# Altium PCB CalibradorDePlacas.PcbDoc
Units mil, origin at the board's own origin, x right, y up, seen from the top; angles counter-clockwise.
Board outline 2000 x 6000 mil, 2 copper layers (Top Layer, Bottom Layer); 127 components, 105 nets, 420 pads, 167 vias.
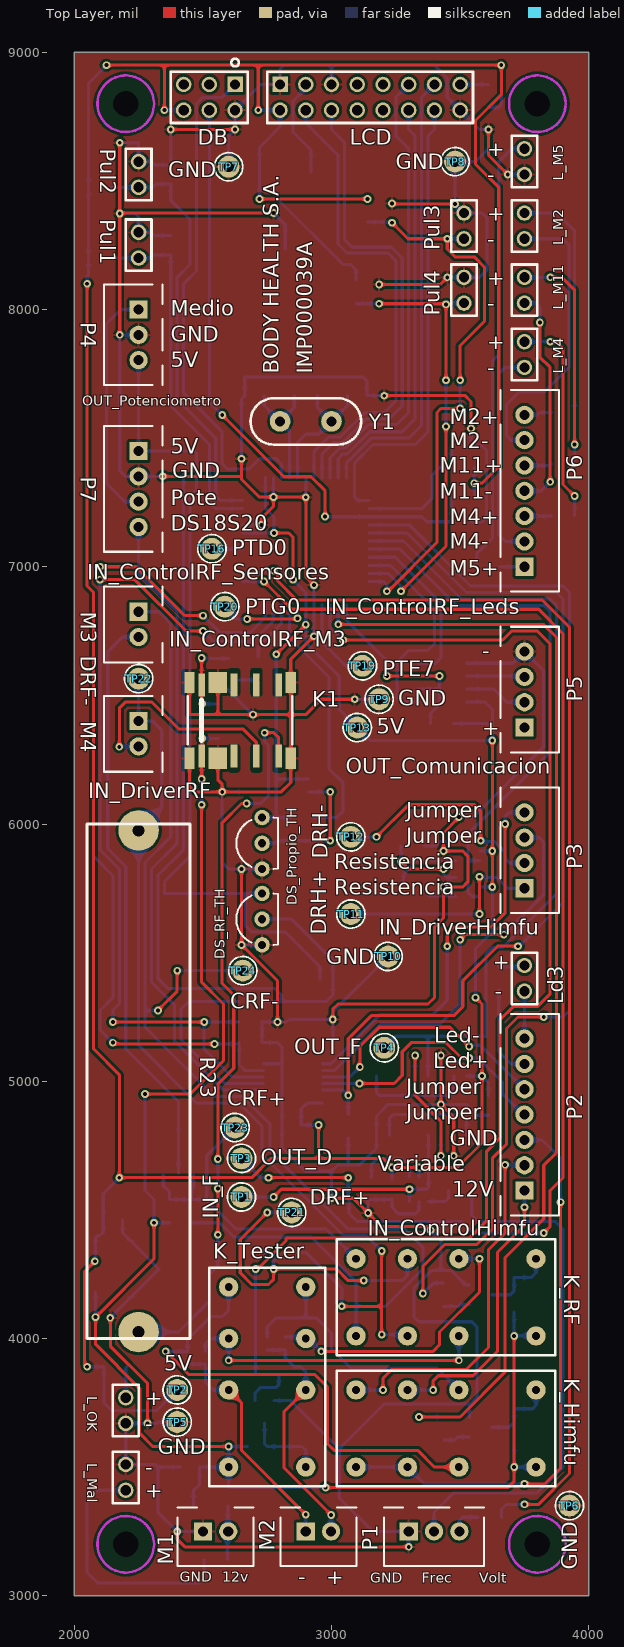
[diagram p0: Top Layer view]
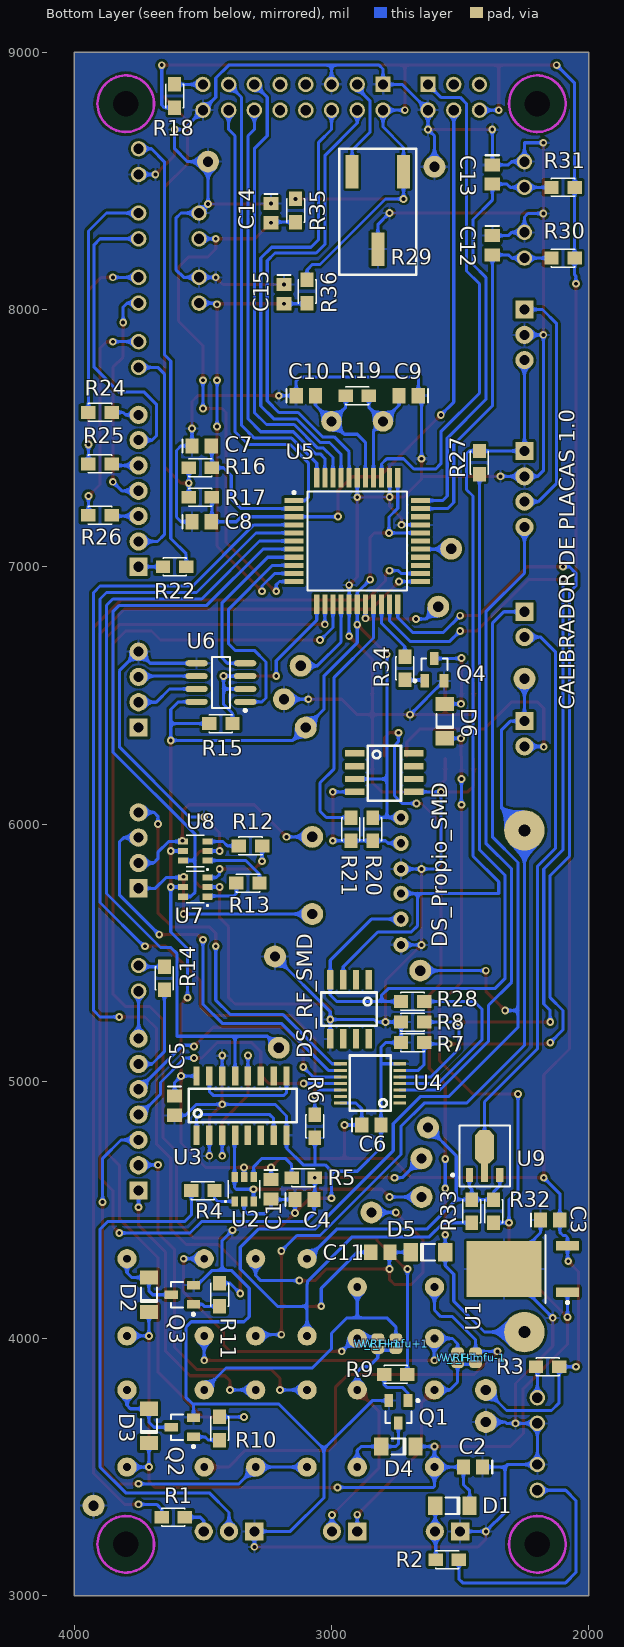
[diagram p1: Bottom Layer view, seen from below]

## Layer stack, top to bottom
Top Solder: solder mask 0.4, Solder Resist, Dk 3.5
Top Layer: signal copper 1.4
Dielectric 1: dielectric 12.6, FR-4, Dk 4.8
Bottom Layer: signal copper 1.4
Bottom Solder: solder mask 0.4, Solder Resist, Dk 3.5

## Board outline
2000,3000 4000,3000 4000,9000 2000,9000

## Design rules (kind name [scope] priority, off if disabled: settings)
Clearance [All] p1: gap=10 ignorepadtopadclearanceinfootprint=FALSE except(0: Arc-Hole Track-Hole SMDPad-Hole THPad-Hole Via-Hole Fill-Hole Poly-Hole Region-Hole Text-Hole)
ComponentClearance [All] p1: gap=10 collisioncheckmode=3 verticalgap=10 showdistances=TRUE
PolygonConnect [All] p1: connectstyle=Relief reliefconductorwidth=10 reliefentries=4 polygonreliefangle="90 Angle" airgapwidth=10
RoomDefinition SeccionRF [InComponentClass('SeccionRF')] p1: confinementstyle=ConfineIn formatcopy=TRUE lockcomponents=FALSE outline 0,0 2000,0 2000,1000 0,1000
RoomDefinition SeccionMicrocontrolador [InComponentClass('SeccionMicrocontrolador')] p2: confinementstyle=ConfineIn formatcopy=TRUE lockcomponents=FALSE outline 0,0 2000,0 2000,1000 0,1000
RoomDefinition SeccionHimfu [InComponentClass('SeccionHimfu')] p3 off: confinementstyle=ConfineIn formatcopy=TRUE lockcomponents=FALSE outline 0,0 2000,0 2000,1000 0,1000
RoomDefinition CalibradorDePlacas [InComponentClass('CalibradorDePlacas')] p4 off: confinementstyle=ConfineIn formatcopy=TRUE lockcomponents=FALSE outline 0,0 2000,0 2000,1000 0,1000
RoutingVias [All] p1: holewidth=15 width=30 viastyle="Through Hole" minholewidth=15 minwidth=30 maxholewidth=15 maxwidth=30
SolderMaskExpansion [All] p1: expansion=4
Width [All] p1: maxlimit=12 minlimit=12 preferedwidth=12
29 further rules are at their usual default settings.

## Classes and differential pairs
component class CalibradorDePlacas: C1 C2 C3 C4 C5 C6 D1 D2 D3 D4 K_Himfu K_RF K_Tester L_Mal L_OK M1 M2 P1 Q1 Q2 Q3 R1 R2 R3 R4 R5 R6 R7 R8 R9 R10 R11 TP1 TP2 TP3 TP4 TP5 TP6 TP7 TP8 TP9 TP10 U1 U2 U3 U4 W_Himfu+1 W_Himfu-1 W_RF+1 W_RF-1
component class SeccionHimfu: Ld3 P2 P3 R12 R13 R14 TP11 TP12 U7 U8
component class SeccionMicrocontrolador: C7 C8 C9 C10 C12 C13 C14 C15 DB DS_Propio_SMD DS_Propio_TH LCD P5 Pul1 Pul2 Pul3 Pul4 R15 R16 R17 R18 R19 R20 R21 R29 R30 R31 R35 R36 TP13 TP16 TP19 TP20 U5 U6 Y1
component class SeccionRF: C11 D5 D6 DS_RF_SMD DS_RF_TH K1 L_M2 L_M4 L_M5 L_M11 M3 M4 P4 P6 P7 Q4 R22 R23 R24 R25 R26 R27 R28 R32 R33 R34 TP21 TP22 TP23 TP24 U9

## Components (designator, comment, footprint, x,y, rotation, side; value= is the part's Value field where it differs from the comment)
C1 "100nF" C_0805 3235,4580 r270 bottom
C2 "100nF" C_0805 2450,3500 r0 bottom
C3 "100nF" C_0805 2150,4460 r180 bottom
C4 "100nF" C_0805 3105,4540 r180 bottom
C5 "100nF" C_0805 3610,4905 r270 bottom
C6 "100nF" C_0805 2845,4830 r180 bottom
C7 "10nF" C_0805 3505,7470 r180 bottom
C8 "100nF" C_0805 3505,7175 r180 bottom
C9 "22pF" C_0805 2700,7665 r0 bottom
C10 "22pF" C_0805 3100,7665 r180 bottom
C11 "100pF" C_0805 2810,4335 r180 bottom
C12 "100nF" C_0805 2375,8250 r270 bottom
C13 "100nF" C_0805 2375,8525 r270 bottom
C14 "100nF" C_0805 3235,8375 r270 bottom
C15 "100nF" C_0805 3185,8060 r270 bottom
D1 "FDLL4148" SOD-80/MLL34 2530,3350 r180 bottom
D2 "FDLL4148" SOD-80/MLL34 3710,4170 r270 bottom
D3 "FDLL4148" SOD-80/MLL34 3710,3660 r270 bottom
D4 "FDLL4148" SOD-80/MLL34 2740,3580 r180 bottom
D5 "FDLL4148" SOD-80/MLL34 2625,4335 r0 bottom
D6 "FDLL4148" SOD-80/MLL34 2560,6400 r270 bottom
DB "DBM" DBM 2625,8875 r90 top
DS_Propio_SMD "DS18S20-SMD-Soldado" SOIC8 2860,6305 r180 bottom
DS_Propio_TH "DS18S20-TH-Soldado" TO92 2730,5925 r90 top
DS_RF_SMD "DS18S20-SMD-Soldado" SOIC8 2825,5345 r270 bottom
DS_RF_TH "DS18S20-TH-Soldado" TO92 2730,5630 r90 top
K1 "Relay-DPDT-Omrom RF" "Relay RF omron" 2495,6265 r0 top
K_Himfu "Relay-DPDT-Omrom General" RELAY_DPDT 3795,3800 r180 top
K_RF "Relay-DPDT-Omrom General" RELAY_DPDT 3795,4310 r180 top
K_Tester "Relay-DPDT-Omrom General" RELAY_DPDT 2900,3500 r90 top
L_M2 "PinesParaLed" JUMPER-SIMPLE 3750,8375 r270 top
L_M4 "PinesParaLed" JUMPER-SIMPLE 3750,7875 r270 top
L_M5 "PinesParaLed" JUMPER-SIMPLE 3750,8625 r270 top
L_M11 "PinesParaLed" JUMPER-SIMPLE 3750,8125 r270 top
L_Mal "PinesParaLed" JUMPER-SIMPLE 2200,3510 r270 top
L_OK "PinesParaLed" JUMPER-SIMPLE 2200,3770 r270 top
LCD "LCD_Pines" LCD_PINES 2800,8875 r180 top
Ld3 "PinesParaLed" JUMPER-SIMPLE 3750,5450 r270 top
M1 "IN_Alimentacion" B2B-XH-A_3D 2500,3250 r0 top
M2 "OUT_PuntasDelTester" B2B-XH-A_3D 2900,3250 r0 top
M3 "IN_ControlRF_M3" B2B-XH-A_3D 2250,6825 r270 top
M4 "IN_DriverRF" B2B-XH-A_3D 2250,6400 r270 top
P1 "IN_Puntas" B3B-XH-A_3D 3300,3250 r0 top
P2 "IN_ControlHimfu" B7B-XH-A_3D 3750,4575 r90 top
P3 "IN_DriverHimfu" B4B-XH-A_3D 3750,5750 r90 top
P4 "OUT_Potenciometro" B3B-XH-A_3D 2250,8000 r270 top
P5 "OUT_Comunicacion" B4B-XH-A_3D 3750,6375 r90 top
P6 "IN_ControlRF_Leds" B7B-XH-A_3D 3750,7000 r90 top
P7 "IN_ControlRF_Sensores" B4B-XH-A_3D 2250,7450 r270 top
Pul1 "PinesParaPulsador" JUMPER-SIMPLE 2250,8300 r270 top
Pul2 "PinesParaPulsador" JUMPER-SIMPLE 2250,8575 r270 top
Pul3 "PinesParaPulsador" Jumper-Simple 3515,8375 r270 top
Pul4 "PinesParaPulsador" Jumper-Simple 3515,8125 r270 top
Q1 "BC817-40LT" SOT23 2740,3715 r0 bottom
Q2 "BC817-40LT" SOT23 3580,3655 r90 bottom
Q3 "BC817-40LT" SOT23 3580,4170 r90 bottom
Q4 "BC817-40LT" SOT23 2600,6600 r180 bottom
R1 "1K" R_0805 3615,3305 r180 bottom
R2 "1K" R_0805 2550,3140 r180 bottom
R3 "470" R_0805 2160,3890 r0 bottom
R4 "1K" R_0805 3500,4575 r0 bottom
R5 "1K" R_0805 3110,4625 r0 bottom
R6 "1K" R_0805 3065,4825 r270 bottom
R7 "1K" R_0805 2685,5150 r0 bottom
R8 "1K" R_0805 2685,5230 r0 bottom
R9 "1K" R_0805 2750,3860 r180 bottom
R10 "1K" R_0805 3435,3650 r90 bottom
R11 "1K" R_0805 3435,4170 r90 bottom
R12 "2K" R_0805 3315,5915 r0 bottom
R13 "100" R_0805 3325,5770 r0 bottom
R14 "1K" R_0805 3650,5400 r90 bottom
R15 "1K" R_0805 3430,6390 r180 bottom
R16 "4K7" R_0805 3510,7385 r180 bottom
R17 "10K" R_0805 3510,7270 r180 bottom
R18 "330" R_0805 3610,8830 r270 bottom
R19 "10M" R_0805 2900,7665 r0 bottom
R20 "4K7" R_0805 2840,5980 r270 bottom
R21 "100" R_0805 2925,5980 r270 bottom
R22 "470" R_0805 3610,7000 r0 bottom
R23 "100" "R 10W" 2250,5000 r90 top
R24 "470" R_0805 3900,7600 r180 bottom
R25 "470" R_0805 3900,7400 r180 bottom
R26 "470" R_0805 3900,7200 r180 bottom
R27 "4K7" R_0805 2425,7405 r270 bottom
R28 "100" R_0805 2685,5310 r0 bottom
R29 "5K" PRESET_SMD 2720,8535 r0 bottom
R30 "10K" R_0805 2100,8200 r0 bottom
R31 "10K" R_0805 2100,8475 r0 bottom
R32 "1K" R_0805 2370,4495 r90 bottom
R33 "10" R_0805 2455,4495 r270 bottom
R34 "1K" R_0805 2715,6605 r90 bottom
R35 "10K" R_0805 3140,8385 r270 bottom
R36 "10K" R_0805 3095,8070 r270 bottom
TP1 "IN_F" TP-5002 2650,4550 r0 top
TP2 "5V" TP-5002 2400,3800 r0 top
TP3 "OUT_D" TP-5002 2650,4700 r0 top
TP4 "OUT_F" TP-5002 3205,5130 r0 top
TP5 "GND" TP-5002 2400,3675 r0 top
TP6 "GND" TP-5002 3925,3350 r0 top
TP7 "GND" TP-5002 2600,8555 r0 top
TP8 "GND" TP-5002 3480,8575 r0 top
TP9 "GND" TP-5002 3185,6485 r0 top
TP10 "GND" TP-5002 3220,5485 r90 top
TP11 "DRH+" TP-5002 3075,5650 r0 top
TP12 "DRH-" TP-5002 3075,5950 r180 top
TP13 "5V" TP-5002 3100,6375 r90 top
TP16 "PTD0" TP-5002 2535,7070 r90 top
TP19 "PTE7" TP-5002 3120,6615 r90 top
TP20 "PTG0" TP-5002 2585,6845 r90 top
TP21 "DRF+" TP-5002 2845,4490 r90 top
TP22 "DRF-" TP-5002 2250,6565 r180 top
TP23 "CRF+" TP-5002 2625,4820 r90 top
TP24 "CRF-" TP-5002 2655,5430 r90 top
U1 "MC78M05" TO-252AA_N 2260,4270 r0 bottom
U2 "SN74LVC2G14DBVR" SOT23-6 3340,4580 r90 bottom
U3 "CD74HC390M96" SOIC16 3555,4840 r90 bottom
U4 "TS3A4751PWR" TSSOP14 2770,4885 r0 bottom
U5 "MC9S08AC16-44" QFP10X10-G44/Z14.4N 2900,7100 r180 bottom
U6 "SN7517" 751-07_N 3430,6550 r0 bottom
U7 "TS5A3159ADBVR" SOT23-6 3530,5755 r0 bottom
U8 "TS5A3159ADBVR" SOT23-6 3530,5895 r0 bottom
U9 "LM431" SOT89 2405,4690 r180 bottom
W_Himfu+1 "JMP" SMD_JMP 2750,3980 r90 bottom
W_Himfu-1 "JMP" SMD_JMP 2440,3925 r90 bottom
W_RF+1 "JMP" SMD_JMP 2820,3980 r90 bottom
W_RF-1 "JMP" SMD_JMP 2510,3925 r90 bottom
Y1 "4.9152MHZ" XTAL_LOW 2900,7565 r180 top

## Footprints (in the part's own frame and the unit in brackets; to place one, negate y for a bottom-side part, rotate by r counter-clockwise, add the part's x,y. Pads: shape width x height; smd on the part's side, far side on the other; paste and mask are expansions set on the pad)
751-07_N [mm] "SOIC, 8-Leads, Body 4.9x3.9mm, Pitch 1.27mm, IPC Medium Density"
  oval 2.2x0.6 smd: 1(-2.4,1.905) 2(-2.4,0.635) 3(-2.4,-0.635) 4(-2.4,-1.905) 5(2.4,-1.905) 6(2.4,-0.635) 7(2.4,0.635) 8(2.4,1.905)
  silkscreen extent -2.52,-2.5 0.9,2.88, body extent -2,-2.5 2,2.5, height 1.75
B2B-XH-A_3D [mm] "CONN HEADER XH TOP 2POS 2.5MM"
  rect 1.8x1.8 hole 1: 1(0,0)
  round 1.8 hole 1: 2(2.5,0)
  silkscreen extent -2.5,-3.4 5,2.35, body extent -2.47,-3.3 4.93,2.45, height 7
B3B-XH-A_3D [mm] "CONN HEADER XH TOP 3POS 2.5MM"
  rect 1.8x1.8 hole 1: 1(0,0)
  round 1.8 hole 1: 2(2.5,0) 3(5,0)
  silkscreen extent -2.45,-3.4 7.45,2.35, body extent -2.45,-3.4 7.45,2.35, height 7
B4B-XH-A_3D [mm] "CONN HEADER XH TOP 4POS 2.5MM"
  rect 1.8x1.8 hole 1: 1(0,0)
  round 1.8 hole 1: 2(2.5,0) 3(5,0) 4(7.5,0)
  silkscreen extent -2.45,-3.4 9.95,2.35, body extent -2.45,-3.4 9.95,2.35, height 7
B7B-XH-A_3D [mm] "CONN HEADER XH TOP 7POS 2.5MM"
  rect 1.8x1.8 hole 1: 1(0,0)
  round 1.8 hole 1: 2(2.5,0) 3(5,0) 4(7.5,0) 5(10,0) 6(12.5,0) 7(15,0)
  silkscreen extent -2.45,-3.4 17.45,2.35, body extent -2.45,-3.4 17.45,2.38, height 7
C_0805 [mm] "Chip Capacitor; Body 2.0 x 1.2 mm (LxW typ)"
  rect 1.3x1.5 smd: 1(-0.95,0) 2(0.95,0)
  silkscreen extent -1.9,-0.65 -1.9,0.65, body extent -1.1,-0.74 1.1,0.71, height 0.88
DBM [mil] "Pines para el debuguer"
  rect 60x60 hole 40: 1(0,0)
  round 60 hole 40: 2(-100,0) 3(0,100) 4(-100,100) 5(0,200) 6(-100,200)
  Top Overlay keep-out lines w10: -150,50 -150,250 50,250 50,50
  silkscreen extent -150,-50 100,250, body extent -148,-50 48,250, height 384
JUMPER-SIMPLE [mil] "Pines para jumper de 0.1\" de separación"
  round 60 hole 40: 1(0,0) 2(100,0)
  silkscreen extent -50,-50 150,50, body extent -49,-51 151,49, height 352
Jumper-Simple [mil] "Pines para jumper de 0.1\" de separación"
  round 60 hole 40: 1(0,0) 2(100,0)
  silkscreen extent -50,-50 150,50, body extent -49,-51 151,49, height 352
LCD_PINES [mil] "Tira de 16 pines macho en 2 columnas de paso 0.1\""
  rect 60x60 hole 40: 1(0,0)
  round 60 hole 40: 2(0,100) 3(-100,0) 4(-100,100) 5(-200,0) 6(-200,100) 7(-300,0) 8(-300,100) 9(-400,0) 10(-400,100) 11(-500,0) 12(-500,100) 13(-600,0) 14(-600,100) 15(-700,0) 16(-700,100)
  Top Overlay keep-out lines w10: 50,50 50,150 -750,150 -750,50
  silkscreen extent -750,-50 50,150, body extent -750,-50 50,150, height 336
PRESET_SMD [mil]
  rect 50x130 smd: 1(0,0) 2(200,0) 3(100,300)
  Top Overlay keep-out lines w10: -50,400 250,400 250,-90 -50,-90 -50,370 -50,400
  silkscreen extent -50,-90 250,400, body extent -34,-28 230,308, height 177
QFP10X10-G44/Z14.4N [mm] "QFP; 44 Leads; Body 10 x 10 mm; Pitch 0.8 mm"
  rect 1.9x0.5 smd: 1(-6.25,4) 2(-6.25,3.2) 3(-6.25,2.4) 4(-6.25,1.6) 5(-6.25,0.8) 6(-6.25,0) 7(-6.25,-0.8) 8(-6.25,-1.6) 9(-6.25,-2.4) 10(-6.25,-3.2) 11(-6.25,-4) 23(6.25,-4) 24(6.25,-3.2) 25(6.25,-2.4) 26(6.25,-1.6) 27(6.25,-0.8) 28(6.25,0) 29(6.25,0.8) 30(6.25,1.6) 31(6.25,2.4) 32(6.25,3.2) 33(6.25,4)
  rect 0.5x1.9 smd: 12(-4,-6.25) 13(-3.2,-6.25) 14(-2.4,-6.25) 15(-1.6,-6.25) 16(-0.8,-6.25) 17(0,-6.25) 18(0.8,-6.25) 19(1.6,-6.25) 20(2.4,-6.25) 21(3.2,-6.25) 22(4,-6.25) 34(4,6.25) 35(3.2,6.25) 36(2.4,6.25) 37(1.6,6.25) 38(0.8,6.25) 39(0,6.25) 40(-0.8,6.25) 41(-1.6,6.25) 42(-2.4,6.25) 43(-3.2,6.25) 44(-4,6.25)
  silkscreen extent -6.38,-4.9 4.9,4.9, body extent -6.45,-6.48 6.35,6.32, height 3.3
"R 10W" [mm] "Resistencia de 10W"
  round 4 hole 1.2: 1(-24.765,0) 2(24.765,0)
  silkscreen extent -25.4,-5.08 25.4,5.08, body extent -24.9,-4.5 24.9,4.5, height 10.55
R_0805 [mil] "Chip Resistor; Body 2.0 x 1.2 mm (LxW typ)"
  rect 56x50 smd: 1(45,0) 2(-45,0)
  silkscreen extent -45,-35 45,35, body extent -39,-25 39,25, height 18
"Relay RF omron" [mm] "Relay RF omron G6K-2F-RF-S"
  rect 1x2.1 smd: 0(-1.2,-0.25) 0(-1.2,7.25) 0(8.8,-0.25) 0(8.8,7.25)
  rect 1.8x2.1 smd: 0(1.6,-0.25) 0(1.6,7.25)
  rect 0.66x2.286 smd: 1(0,0) 2(3.2,0) 3(5.4,0) 4(7.6,0) 5(7.6,7) 6(5.4,7) 7(3.2,7) 8(0,7)
  silkscreen extent -1.35,1.14 8.95,5.86, body extent -2.59,-0.6 10.21,7.2, height 5.4
RELAY_DPDT [mil] "RELAY GEN PURPOSE DPDT 1A 12VDC"
  round 75 hole 30: 1(0,0) 4(300,0) 6(500,0) 8(700,0) 9(700,300) 11(500,300) 13(300,300) 16(0,300)
  Top Overlay keep-out lines w10: 775,375 -75,375 -75,-75 775,-75 775,375
  silkscreen extent -75,-75 775,375, body extent -50,-44 757,354, height 38
SMD_JMP [mil] "Jumper con estaño"
  oval 30x50 smd: 1(-25,0) 2(25,0)
  rect 15x50 smd: 1(-17.5,0) 2(17.5,0)
  Top Layer region: 150,0
SOD-80/MLL34 [mm] "Metal Electrode Face (MELF) Diode; Body 3.5 x 1.7 mm (LxDia)"
  rect 1.4x1.8 smd: 1(-1.7,0) 2(1.7,0)
  silkscreen extent -0.7,-0.8 0.7,0.8, body extent -1.82,-0.8 1.88,0.8, height 1.6
SOIC8 [mil]
  rect 75x25 smd: 1(-50,-30) 2(-50,-80) 3(-50,-130) 4(-50,-180) 5(180,-180) 6(180,-130) 7(180,-80) 8(180,-30)
  silkscreen extent 0,-215 130,0, body extent -53,-201 183,-9, height 67
SOIC16 [mil]
  rect 75x25 smd: 1(-50,-30) 2(-50,-80) 3(-50,-130) 4(-50,-180) 5(-50,-230) 6(-50,-280) 7(-50,-330) 8(-50,-380) 9(180,-380) 10(180,-330) 11(180,-280) 12(180,-230) 13(180,-180) 14(180,-130) 15(180,-80) 16(180,-30)
  silkscreen extent 0,-420 130,0, body extent -53,-400 183,-10, height 55
SOT23 [mm] "SOT-23; 3 Leads; Body 3.0 x 2.6 mm, inc. leads (LxW max)"
  rect 0.85x1.3 smd: 1(-0.95,-1.1) 2(0.95,-1.1) 3(0,1.1)
  silkscreen extent -2.05,-1.22 1.28,1.1, body extent -1.5,-1.32 1.5,1.32, height 1.08
SOT23-6 [mil] "SOT23, 6-Leads, Body 3.0x1.7mm, Pitch 0.95mm, Lead Span 2.8mm"
  rect 39x25 smd: 1(-47,37) 2(-47,0) 3(-47,-37) 4(47,-37) 5(47.01,0) 6(47,37)
  silkscreen extent -50,-61 35,75, body extent -56,-57 56,57, height 39
SOT89 [mm] "SOT-89; Body 4.6 x 4.25 mm, inc. leads (LxW max)"
  rect 0.7x1.35 smd: 1(-1.5,-1.388) 3(1.5,-1.388)
  rect 0.7x1.8 smd: 2(0,-1.162)
  oct 1.9x3.3 smd: 2(0,1.388)
  silkscreen extent -3.28,-2.51 2.5,3.49, body extent -2.25,-1.72 2.25,2.53, height 1.54
TO92 [mil] "TO-92 Bend Lead 100mils x2 - Pins 1 2 3"
  round 60 hole 32: 1(-100,0) 2(0,0) 3(100,0)
  silkscreen extent -100,-61 100,100, body extent -109,-61 109,100, height 345
TO-252AA_N [mm] "D-PAK, 4-Leads, Body 6.1x6.5mm, Pitch 2.28mm, Lead Span 9.9mm, IPC Medium Density"
  rect 2.286x0.95 smd: 1(-4.5,2.28) 3(-4.5,-2.28)
  rect 7.4x5.5 smd: 2(1.75,0)
  silkscreen extent -4.62,-3.35 -2.35,3.43, body extent -5,-3.37 5.1,3.37, height 2.37
TP-5002 [mil] "White PC Test Point, Miniature Phosphor Bronze, Silver Plating 0.040\" (1.02mm) Hole Diameter Mounting Type"
  round 85 hole 40: 1(0,0)
  silkscreen extent -55,-55 55,55, body extent -50,-50 50,50, height 192
TSSOP14 [mil] "14-TSSOP (0.173\", 4.40mm Width)"
  rect 50x12 smd: 1(-35,-30) 2(-35,-55.5) 3(-35,-81) 4(-35,-106.5) 5(-35,-132) 6(-35,-157.5) 7(-35,-183) 8(195,-183) 9(195,-157.5) 10(195,-132) 11(195,-106.5) 12(195,-81) 13(195,-55.5) 14(195,-30)
  silkscreen extent 0,-215 160,0, body extent -45,-207 207,-6, height 47
XTAL_LOW [mil] "Xtal bajo perfil"
  round 80 hole 40: 1(-100,0) 2(100,0)
  silkscreen extent -215,-90 215,90, body extent -215,-90 215,90, height 130

## Part data
C1 C2 C3 C4 C5 C6 C8 C12 C13 C14 C15: library part C_100nF, "CAP CER 0.1UF 25V X7R 0805"
C7: library part C_10nF, "CAP CER 10000PF 25V X7R 0805"
C9 C10: library part C_22pF, "CAP CER 22PF 50V C0G/NP0 0805"
C11: library part C_100pF, "CAP CER 100PF 50V C0G/NP0 0805"
D1 D2 D3 D4 D5 D6: library part "Diode FDLL4148", "DIODE GEN PURP 100V 200MA LL34/SOD80/MINI MELF"
DB: "CONN HEADER VERT 6POS 2.54MM"
DS_Propio_SMD DS_RF_SMD: "SENSOR DIGITAL -55C-125C 8SOIC"
DS_Propio_TH DS_RF_TH: "Temperature Sensor Digital, Local -55°C ~ 125°C 8 b TO-92-3"
K1: "RELAY RF DPDT 1A 12V"
K_Himfu K_RF K_Tester: "RELAY GEN PURPOSE DPDT 1A 12VDC"
L_M2 L_M4 L_M5 L_M11 L_Mal L_OK Ld3 Pul1 Pul2 Pul3 Pul4: "CONN HEADER 2 POS 2.54"
LCD: "CONN HEADER VERT 16POS 2.54MM"
M1 M2 M3 M4: library part JST_2.5_2, "CONN HEADER XH TOP 2POS 2.5MM"
P1 P4: library part JST_2.5_3, "CONN HEADER XH TOP 3POS 2.5MM"
P2 P6: library part JST_2.5_7, "CONN HEADER XH TOP 7POS 2.5MM"
P3 P5 P7: library part JST_2.5_4, "CONN HEADER XH TOP 4POS 2.5MM"
Q1 Q2 Q3 Q4: library part BC817, "TRANS NPN 45V 0.5A SOT23"
R1 R2 R4 R5 R6 R7 R8 R9 R10 R11 R14 R15 R32 R34: library part R_1k, "RES SMD 1K OHM 1% 1/8W 0805"
R3 R22 R24 R25 R26: library part R_470, "RES SMD 470 OHM 1% 1/8W 0805"
R12: library part R_2k, "RES SMD 2K OHM 1% 1/8W 0805"
R13 R21 R28: library part R_100, "RES SMD 100 OHM 1% 1/8W 0805"
R16 R20 R27: library part R_4k7, "RES SMD 4K7 OHM 1% 1/8W 0805"
R17 R30 R31 R35 R36: library part R_10k, "RES SMD 10K OHM 1% 1/8W 0805"
R18: library part R_330, "RES SMD 330 OHM 1% 1/8W 0805"
R19: library part R_10M, "RES SMD 10M OHM 5% 1/8W 0805"
R23: library part Resistor-10W, "RES 100 OHM 10W 5% AXIAL"
R29: library part Preset_5k_SMD, "TRIMMER 5K OHM 0.5W GW TOP ADJ"
R33: library part R_10, "RES SMD 10 OHM 1% 1/8W 0805"
TP1 TP2 TP3 TP4 TP5 TP6 TP7 TP8 TP9 TP10 TP11 TP12 TP13 TP16 TP19 TP20 TP21 TP22 TP23 TP24: library part TestPoint, "White PC Test Point, Miniature Phosphor Bronze, Silver Plating 0.040\" (1.02mm) Hole Diameter Mounting Type"
U1: "IC REG LINEAR 5V 500MA DPAK"
U2: "IC INVERTER SCHMITT 2CH SOT23-6"
U3: "IC DUAL DECADE RPL COUNTR 16SOIC"
U4: "IC SWITCH QUAD SPST 14TSSOP"
U5: "S08 S08 Microcontroller IC 8-Bit 40MHz 16KB (16K x 8) FLASH 32-LQFP (7x7)"
U6: "IC TXRX DIFF BUSS 8SOIC"
U7 U8: "IC SWITCH SPDT SOT23-6"
U9: "IC VREF SHUNT 36V 1% SOT89-3"
W_Himfu+1 W_Himfu-1 W_RF+1 W_RF-1: library part SMD_JMP, "Islas para hacer un jumper con estaño"
Y1: library part XTAL_LOW, "CRYSTAL 4.9152MHZ 18PF T/H"

## Free pads (board coordinates)
  round 0 hole 98.43: ""(2200,3200) ""(2200,8800) ""(3800,3200) ""(3800,8800)

## Via types
v1: diameter 30, hole 15, Top Layer to Bottom Layer, tented both sides, 165 vias
v2: diameter 30, hole 15, Top Layer to Bottom Layer, 1 vias
v3: diameter 30, hole 15, Top Layer to Bottom Layer, tented bottom, 1 vias

## Nets (pads, with @x,y where several pads share a name; then routed paths per layer and width w, separated by ;. In a path a pad name is that pad's centre, name@x,y a point inside that pad or via, vN(x,y) a via of type N, cw(c..) or ccw(c..) an arc to the next point about the centre after c; other vN are vias at no path point)
5V: C1.1 C3.2 C5.1 C6.1 DB.6 DS_Propio_SMD.3 DS_Propio_TH.3 LCD.2 R3.2 R15.2 R16.2 R17.2 R18.1 R20.2 R29.1 R30.2 R31.2 R35.2 R36.2 TP2.1 TP13.1 U1.3 U2.5 U3.16 U4.14 U5.17 U5.29 U5.34 U6.8 U7.5 U8.5 | length 18271.2
  Top Layer w12: v1(2050,3890) 2040,3900 2040,4260 v1(2080,4300) ; v1(2050,8100) 2050,6925 2075,6900 2075,5125 2175,5025 v1(2175,4625) 2690,4625 2765,4700 2950,4700 ; v1(2125,8950) 2350,8950 ; v1(2350,8775) 2350,8950 ; v1(2715,8775) 2715,8950 ; v1(2720,8430) v1(3140,8430) ; v1(2776.5,7131.5) 2833.5,7131.5 2850,7115 v1(2850,6950) ; v1(2785,6660) v1(2900,6775) ; v1(2950,4830) 2950,4700 ; v1(3555,7325) 3585,7325 3650,7390 3650,8475 3560,8565 3560,8735 3660,8835 v1(3660,8950) 2715,8950 ; v1(3560,5325) 3585,5300 v1(3585,5020) 3585,4760 3490,4665 v1(3340,4665) v1(3235,4665) 3200,4700 2950,4700 ; v1(3625,5755) v1(3625,5895) v1(3625,6325) ; 2350,8950 2715,8950
  Bottom Layer w12: v1(2050,3890) R3.2 2115,3750 2145,3720 2320,3720 TP2.1 ; v1(2050,8100) 2050,8130 2055,8135 R30.2 R31.2 2055,8880 v1(2125,8950) ; v1(2080,4300) 2082.83,4302.83 U1.3 2082.83,4392.83 2090,4400 2100,4400 2112.6,4412.6 C3.2 2112.6,4562.6 v1(2175,4625) ; v1(2350,8775) DB.6 ; U5.29 v1(2776.5,7131.5) 2776.5,7193.5 2742.52,7227.48 U5.34 ; v1(2715,8775) LCD.2 2800,8710 2720,8630 R29.1 v1(2720,8430) 2790,8430 3045,8175 3075,8175 3095,8155 R36.2 ; v1(2785,6660) 2785,6175 ; R20.2 DS_Propio_TH.3 2785,6025 2785,6175 ; v1(2850,6950) 2900,6900 U5.17 v1(2900,6775) 2900,6705 3030,6575 3030,6445 TP13.1 3150,6325 v1(3625,6325) 3625,6390 ; DS_Propio_SMD.3 2785,6175 ; v1(2950,4830) C6.1 2882.4,4892.4 2905,4915 U4.14 ; C1.1 v1(3235,4665) ; U2.5 v1(3340,4665) ; R15.2 3625,6390 ; U6.8 3595,6475 3625,6445 3625,6390 ; U3.16 v1(3585,5020) 3610,4995 C5.1 ; R17.2 v1(3555,7325) R16.2 ; v1(3560,5325) 3560,5515 3625,5580 v1(3625,5755) U7.5 ; U8.5 v1(3625,5895) ; R18.1 3650,8785 3660,8795 v1(3660,8950)
5V_CONTROLRF: DS_RF_SMD.3 DS_RF_TH.3 P4.3 P7.1 R27.2 | length 3255.3
  Bottom Layer w12: P4.3 P7.1 R27.2 2465,7450 2475,7440 2475,7300 2450,7275 2450,5875 2350,5775 2350,5730 2665,5730 ; DS_RF_TH.3 2665,5730 ; DS_RF_SMD.3 2955,5445 2820,5580 2690,5580 2665,5605 2665,5730
12V: D1.1 M1.2 R2.2 | length 207.2
  Bottom Layer w12: R2.2 M1.2@2595,3246.57 ; D1.1 2596.93,3251.5 M1.2
12V_RELAYS: C2.2 D1.2 D2.2 D3.2 D4.2 D6.2 K1.1 K_Himfu.16 K_RF.16 K_Tester.16 R32.2 U1.1 | length 6277.5
  Top Layer w12: v3(2275,4950) 2450,4950 2580,5080 2580,5300 2495,5385 v1(2495,6075) ; v1(2310,4450) 2310,4310 v1(2082.83,4082.83) 2082.83,3977.17 2255,3805 2255,3683.84 2254,3682.84 2254,3631 2305,3580 v1(2600,3580) ; v1(2495,6175) K1.1 ; K1.1@2496.93,6266.93 v1(2496.93,6333.07) ; v1(2977,3421) 2976,3421 2975,3420 3685,3420 3710,3445 v1(3710,3500) v1(3710,4010)